# KiCad board EnAcess PCB.kicad_pcb
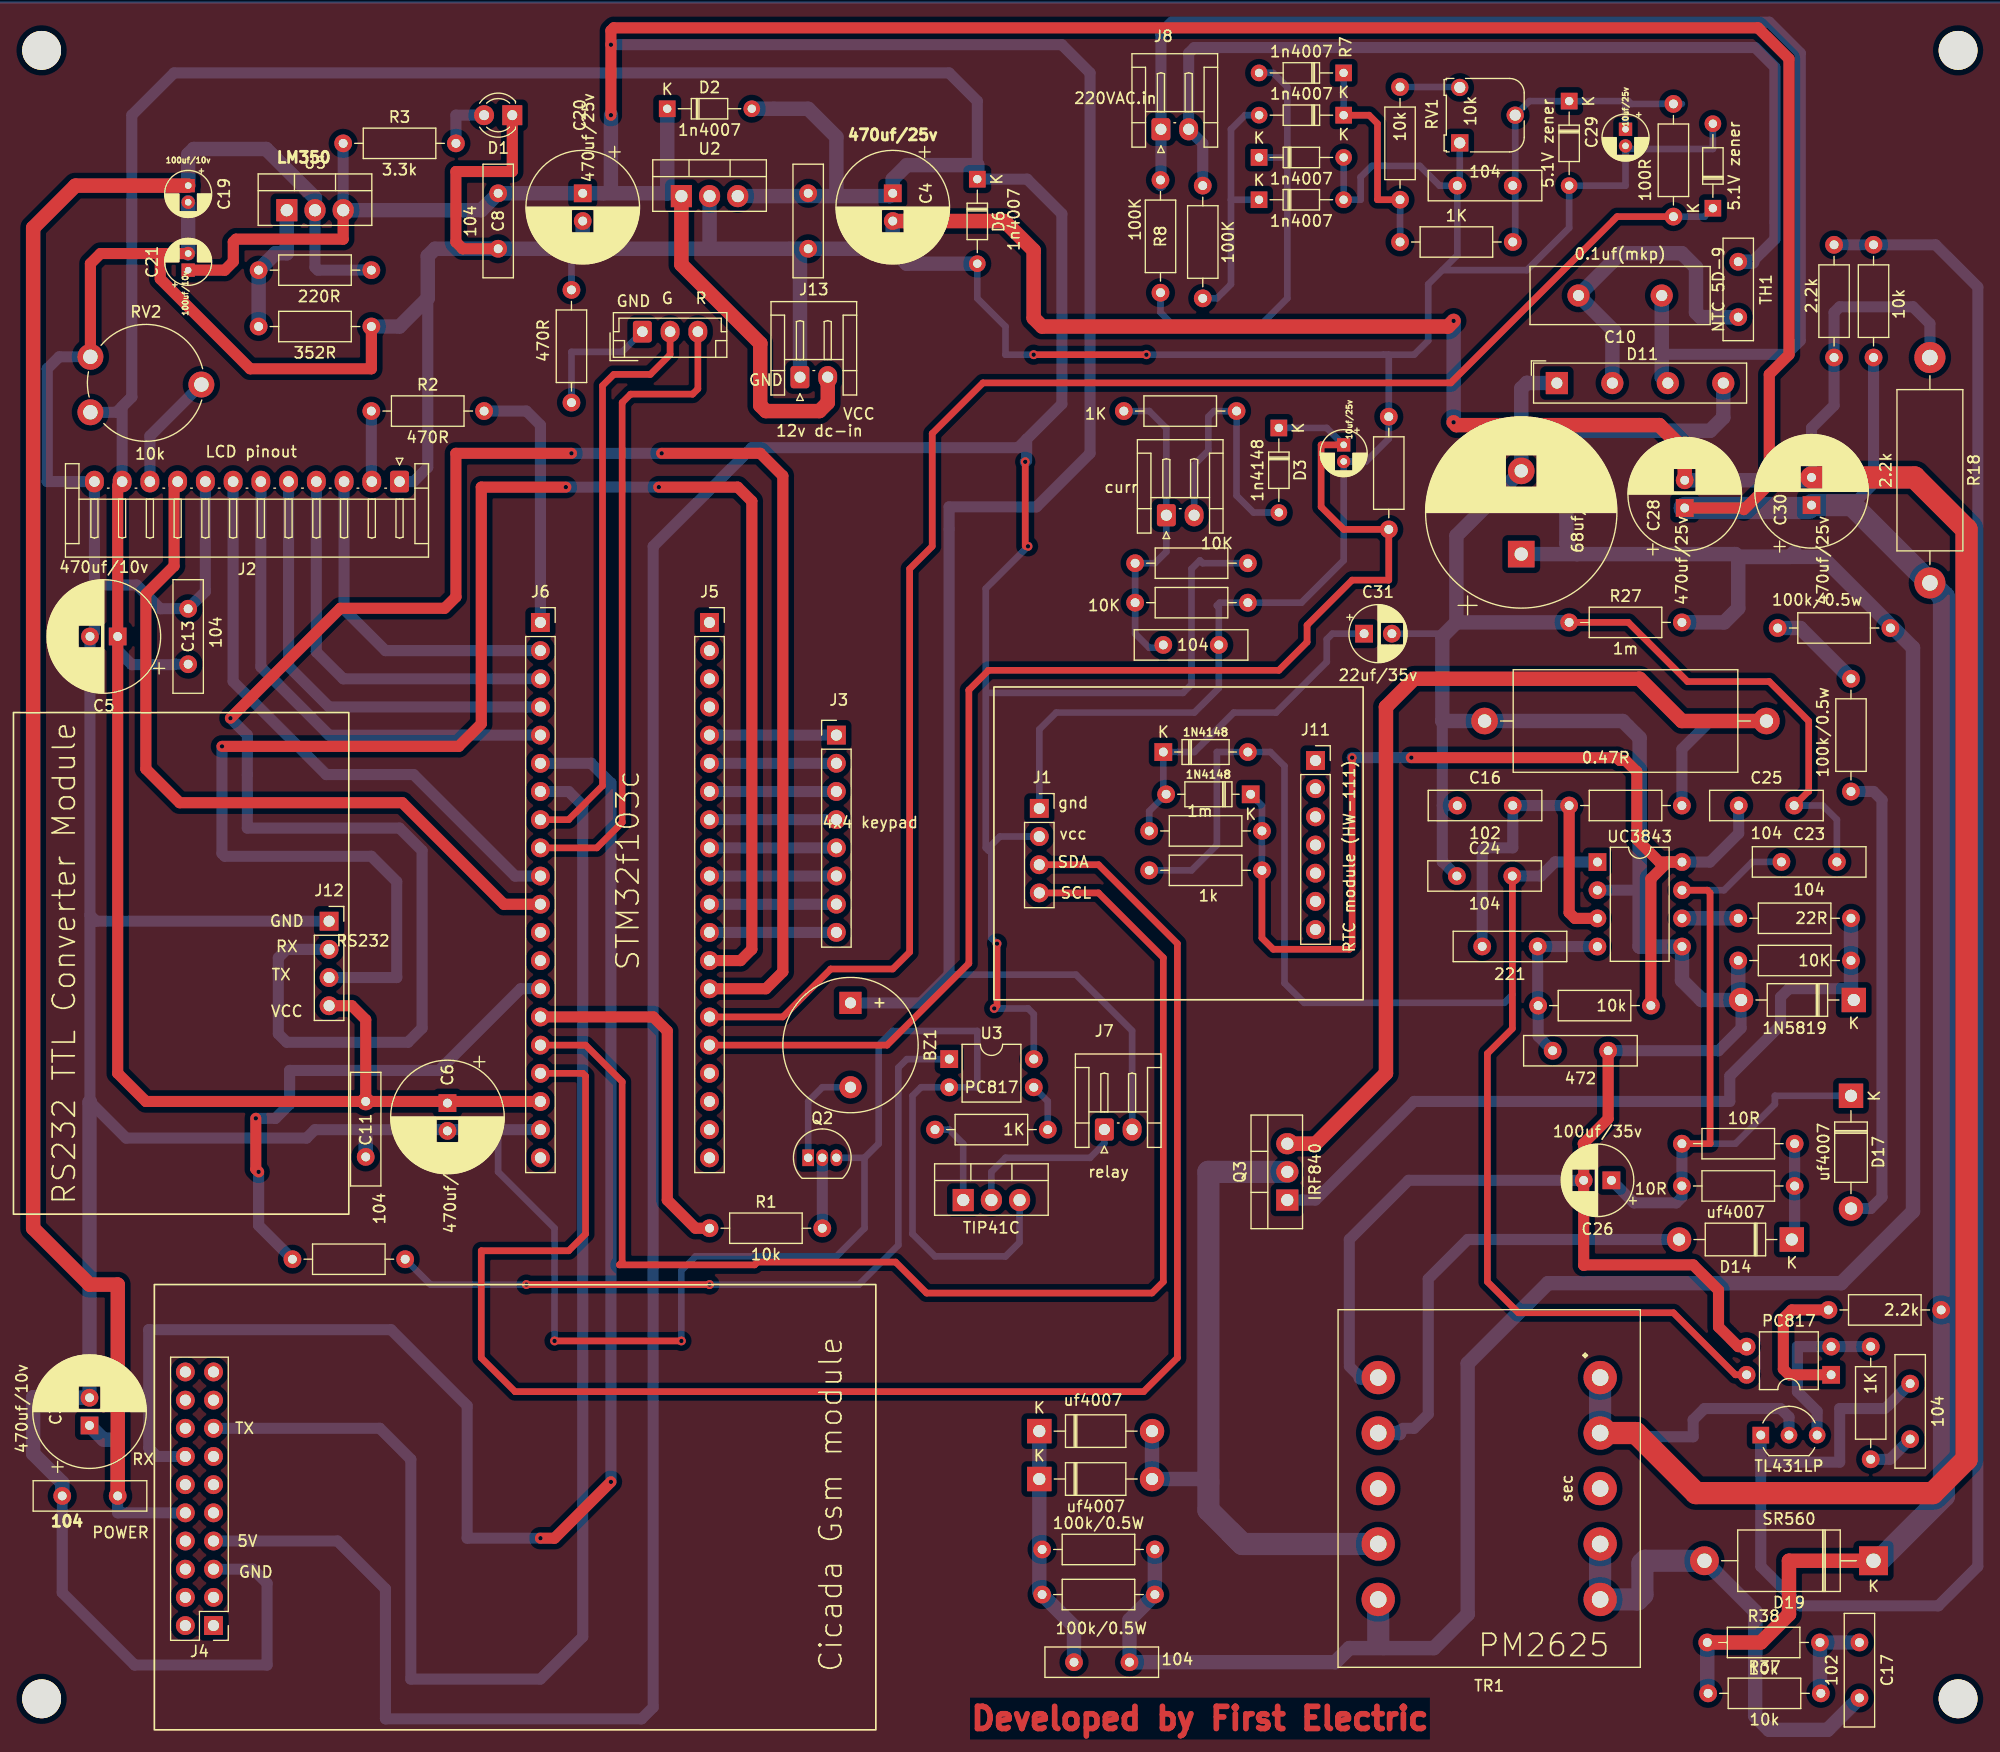
[diagram p0: board, top side]
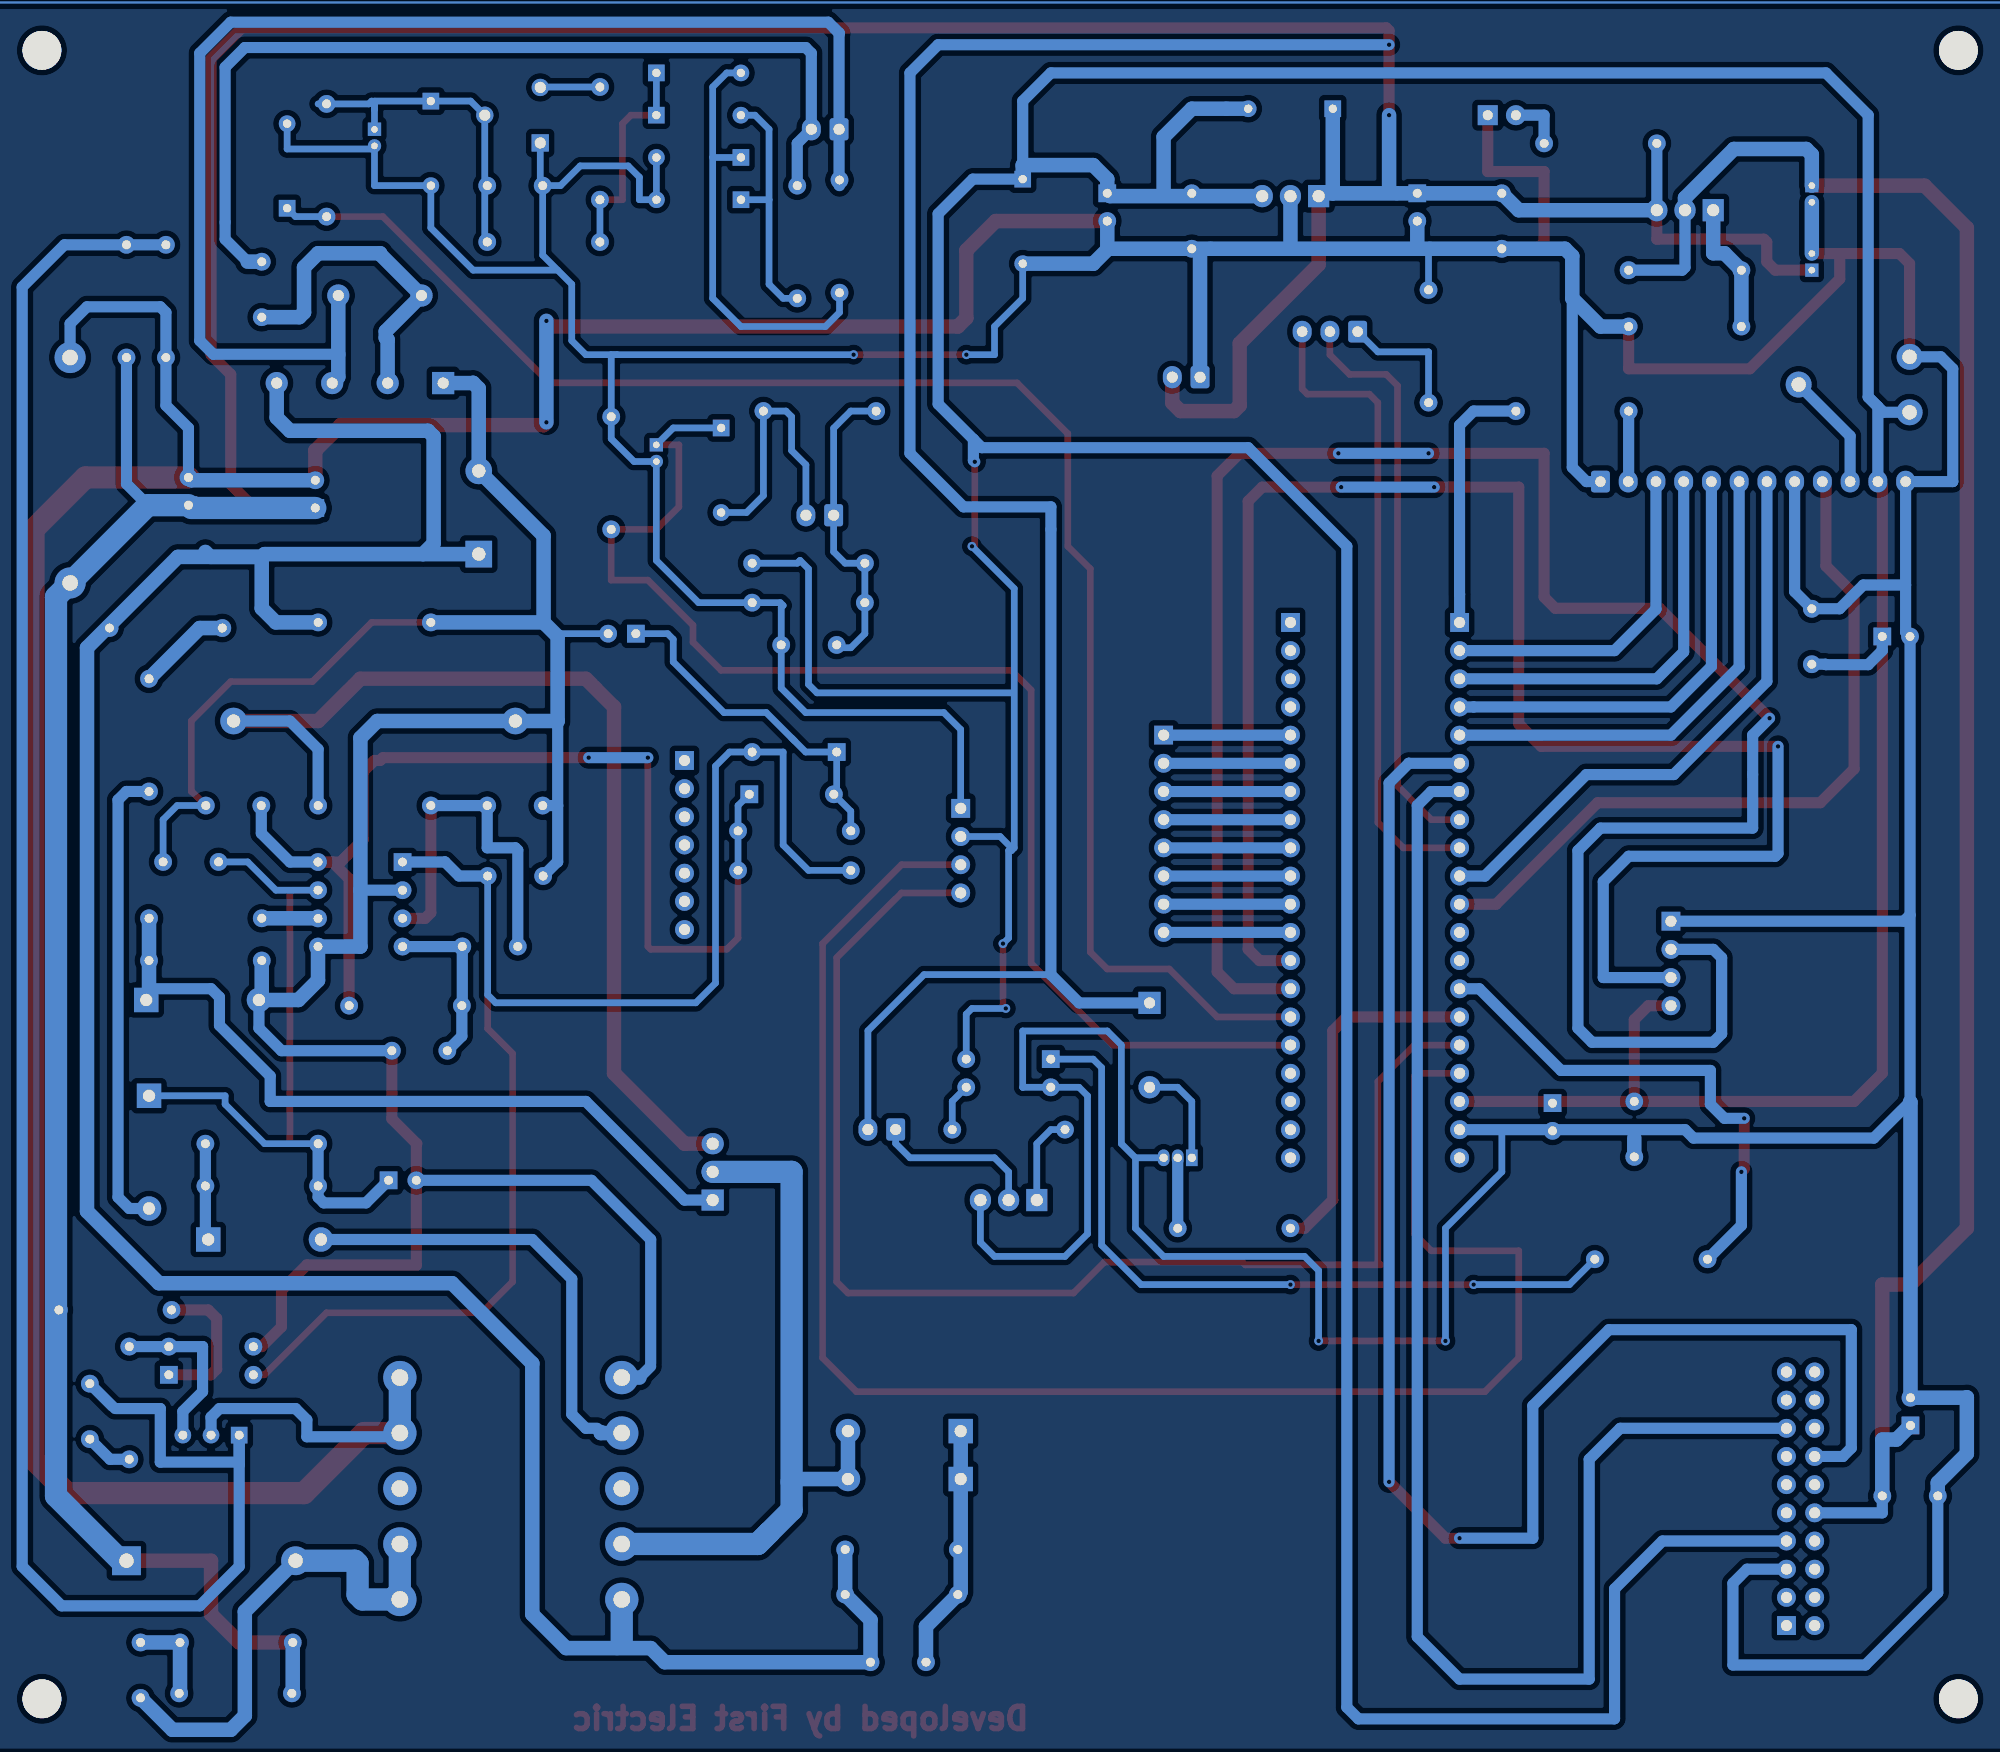
[diagram p1: board, bottom side, seen from below]

No outline. copper layers: Top, Bottom. Coordinates in mm from the lowest, leftmost part position.

## Placement (name value [footprint] x y rotation side)
BZ1  Buzzer  [Buzzer_12x9.5RM7.6]  72.9 62.73 270 top
C1  104  [C_Disc_D10.0mm_W2.5mm_P5.00mm]  101.09 95 0 top
C2  10uf/25v  [CP_Radial_D4.0mm_P1.50mm]  117.35 113.03 270 top
C3  470uf/10v  [CP_Radial_D10.0mm_P2.50mm]  4.32 24.64 90 top
C4  470uf/10v  [CP_Radial_D10.0mm_P2.50mm]  76.71 135.71 270 top
C5  470uf/10v  [CP_Radial_D10.0mm_P2.50mm]  6.86 95.76 180 top
C6  470uf/10v  [CP_Radial_D10.0mm_P2.50mm]  36.58 53.7 270 top
C7  104  [C_Disc_D10.0mm_W2.5mm_P5.00mm]  168.4 23.41 90 top
C8  104  [C_Disc_D10.0mm_W2.5mm_P5.00mm]  41.15 135.71 270 top
C9  68uf/400v  [CP_Radial_D17.0mm_P7.50mm]  133.35 103.18 90 top
C10  0.1uf(mkp)  [C_Disc_D16.0mm_W5.0mm_P7.50mm]  146.01 126.49 180 top
C11  104  [C_Disc_D10.0mm_W2.5mm_P5.00mm]  29.21 53.85 270 top
C12  104  [C_Disc_D10.0mm_W2.5mm_P5.00mm]  132.59 136.4 180 top
C13  104  [C_Disc_D10.0mm_W2.5mm_P5.00mm]  13.21 93.26 90 top
C14  104  [C_Disc_D10.0mm_W2.5mm_P5.00mm]  69.09 135.71 270 top
C15  104  [C_Disc_D10.0mm_W2.5mm_P5.00mm]  6.86 18.29 180 top
C16  102  [C_Disc_D10.0mm_W2.5mm_P5.00mm]  127.59 80.52 0 top
C17  102  [C_Disc_D10.0mm_W2.5mm_P5.00mm]  163.83 5.08 270 top
C18  221  [C_Disc_D10.0mm_W2.5mm_P5.00mm]  129.83 67.82 0 top
C19  -  [CP_Radial_D4.0mm_P1.50mm]  13.21 136.4 270 top
C20  470uf/25v  [CP_Radial_D10.0mm_P2.50mm]  48.77 135.71 270 top
C21  100uf/10v  [CP_Radial_D4.0mm_P1.50mm]  13.21 128.78 90 top
C22  472  [C_Disc_D10.0mm_W2.5mm_P5.00mm]  136.18 58.42 0 top
C23  104  [C_Disc_D10.0mm_W2.5mm_P5.00mm]  156.8 75.44 0 top
C24  104  [C_Disc_D10.0mm_W2.5mm_P5.00mm]  127.55 74.17 0 top
C25  104  [C_Disc_D10.0mm_W2.5mm_P5.00mm]  152.95 80.52 0 top
C26  100uf/35v  [CP_Radial_D6.3mm_P2.50mm]  141.48 46.74 180 top
C27  104  [C_Disc_D10.0mm_W2.5mm_P5.00mm]  98.04 3.3 180 top
C28  470uf/25v  [CP_Radial_D10.0mm_P2.50mm]  148.08 107.34 90 top
C29  10uf/25v  [CP_Radial_D4.0mm_P1.50mm]  142.75 141.48 270 top
C30  470uf/25v  [CP_Radial_D10.0mm_P2.50mm]  159.51 107.59 90 top
C31  22uf/35v  [CP_Radial_D5.0mm_P2.50mm]  119.19 96.01 0 top
D1  -  [LED_D3.0mm_FlatTop]  42.42 142.75 180 top
D2  1n4007  [D_DO-34_SOD68_P7.62mm_Horizontal]  56.38 143.33 0 top
D3  1n4148  [D_DO-34_SOD68_P7.62mm_Horizontal]  111.51 114.55 270 top
D4  5.1V zener  [D_DO-34_SOD68_P7.62mm_Horizontal]  150.62 134.36 90 top
D5  1n4007  [D_DO-34_SOD68_P7.62mm_Horizontal]  109.72 135.13 0 top
D6  1n4007  [D_DO-34_SOD68_P7.62mm_Horizontal]  84.33 136.98 270 top
D7  1n4007  [D_DO-34_SOD68_P7.62mm_Horizontal]  117.35 142.75 180 top
D8  5.1V zener  [D_DO-34_SOD68_P7.62mm_Horizontal]  137.67 144.02 270 top
D9  1n4007  [D_DO-34_SOD68_P7.62mm_Horizontal]  109.72 138.94 0 top
D10  1n4007  [D_DO-34_SOD68_P7.62mm_Horizontal]  117.34 146.56 180 top
D11  -  [Diode_Bridge_19.0x3.5x10.0mm_P5.0mm]  136.56 118.6 0 top
D12  1N4148  [D_DO-35_SOD27_P7.62mm_Horizontal]  108.97 81.53 180 top
D13  1N5819  [D_DO-41_SOD81_P10.16mm_Horizontal]  163.32 62.99 180 top
D14  uf4007  [D_DO-41_SOD81_P10.16mm_Horizontal]  157.73 41.4 180 top
D15  uf4007  [D_DO-41_SOD81_P10.16mm_Horizontal]  89.92 19.81 0 top
D16  uf4007  [D_DO-41_SOD81_P10.16mm_Horizontal]  89.92 24.13 0 top
D17  uf4007  [D_DO-41_SOD81_P10.16mm_Horizontal]  163.07 54.36 270 top
D18  1N4148  [D_DO-35_SOD27_P7.62mm_Horizontal]  101.09 85.34 0 top
D19  SR560  [D_DO-201AE_P15.24mm_Horizontal]  165.1 12.45 180 top
J1  RTC  [PinSocket_1x04_P2.54mm_Vertical]  89.92 80.26 0 top
J2  LCD pinout  [JST_EH_S12B-EH_1x12_P2.50mm_Horizontal]  32.26 109.72 180 top
J3  4x4 keypad  [PinHeader_1x08_P2.54mm_Vertical]  71.63 86.87 0 top
J4  Cicada GSM module  [PinHeader_2x10_P2.54mm_Vertical]  15.49 6.6 180 top
J5  -  [PinSocket_1x20_P2.54mm_Vertical]  60.19 97.02 0 top
J6  -  [PinSocket_1x20_P2.54mm_Vertical]  44.95 97.02 0 top
J7  relay  [JST_EH_S2B-EH_1x02_P2.50mm_Horizontal]  95.78 51.32 0 top
J8  220VAC.in  [JST_EH_S2B-EH_1x02_P2.50mm_Horizontal]  100.88 141.48 0 top
J9  LED_conn  [JST_EH_B3B-EH-A_1x03_P2.50mm_Vertical]  54.14 123.24 0 top
J10  curr  [JST_EH_S2B-EH_1x02_P2.50mm_Horizontal]  101.37 106.69 0 top
J11  -  [PinSocket_1x07_P2.54mm_Vertical]  114.81 84.58 0 top
J12  RS232  [PinSocket_1x04_P2.54mm_Vertical]  25.91 70.09 0 top
J13  12v dc-in  [JST_EH_S2B-EH_1x02_P2.50mm_Horizontal]  68.35 119.13 0 top
Q1  TIP41C  [TO-220-3_Vertical]  83.06 44.96 0 top
Q2  BC547  [TO-92_Inline]  69.09 48.77 0 top
Q3  IRF840  [TO-220-3_Vertical]  112.27 44.96 90 top
R1  10k  [R_Axial_DIN0207_L6.3mm_D2.5mm_P10.16mm_Horizontal]  60.2 42.42 0 top
R2  470R  [R_Axial_DIN0207_L6.3mm_D2.5mm_P10.16mm_Horizontal]  29.72 116.08 0 top
R3  3.3k  [R_Axial_DIN0207_L6.3mm_D2.5mm_P10.16mm_Horizontal]  27.18 140.21 0 top
R4  470R  [R_Axial_DIN0207_L6.3mm_D2.5mm_P10.16mm_Horizontal]  22.61 39.62 0 top
R5  10k  [R_Axial_DIN0207_L6.3mm_D2.5mm_P10.16mm_Horizontal]  122.43 145.29 270 top
R6  1K  [R_Axial_DIN0207_L6.3mm_D2.5mm_P10.16mm_Horizontal]  97.54 116.08 0 top
R7  100K  [R_Axial_DIN0207_L6.3mm_D2.5mm_P10.16mm_Horizontal]  104.65 136.4 270 top
R8  100K  [R_Axial_DIN0207_L6.3mm_D2.5mm_P10.16mm_Horizontal]  100.84 136.91 270 top
R9  100R  [R_Axial_DIN0207_L6.3mm_D2.5mm_P10.16mm_Horizontal]  147.07 143.76 270 top
R10  1K  [R_Axial_DIN0207_L6.3mm_D2.5mm_P10.16mm_Horizontal]  132.59 131.32 180 top
R11  1K  [R_Axial_DIN0207_L6.3mm_D2.5mm_P10.16mm_Horizontal]  90.68 51.31 180 top
R12  10K  [R_Axial_DIN0207_L6.3mm_D2.5mm_P10.16mm_Horizontal]  98.55 102.36 0 top
R13  220R  [R_Axial_DIN0207_L6.3mm_D2.5mm_P10.16mm_Horizontal]  19.56 128.78 0 top
R14  352R  [R_Axial_DIN0207_L6.3mm_D2.5mm_P10.16mm_Horizontal]  19.56 123.7 0 top
R15  10K  [R_Axial_DIN0207_L6.3mm_D2.5mm_P10.16mm_Horizontal]  98.55 98.81 0 top
R16  100K  [R_Axial_DIN0207_L6.3mm_D2.5mm_P10.16mm_Horizontal]  121.41 115.57 270 top
R17  470R  [R_Axial_DIN0207_L6.3mm_D2.5mm_P10.16mm_Horizontal]  47.75 116.84 90 top
R18  2.2k  [R_Axial_DIN0614_L14.3mm_D5.7mm_P20.32mm_Horizontal]  170.18 120.9 270 top
R19  2.2k  [R_Axial_DIN0207_L6.3mm_D2.5mm_P10.16mm_Horizontal]  161.54 131.06 270 top
R20  100k/0.5W  [R_Axial_DIN0207_L6.3mm_D2.5mm_P10.16mm_Horizontal]  100.33 9.4 180 top
R21  100k/0.5W  [R_Axial_DIN0207_L6.3mm_D2.5mm_P10.16mm_Horizontal]  100.33 13.46 180 top
R22  100k/0.5w  [R_Axial_DIN0207_L6.3mm_D2.5mm_P10.16mm_Horizontal]  156.46 96.52 0 top
R23  100k/0.5w  [R_Axial_DIN0207_L6.3mm_D2.5mm_P10.16mm_Horizontal]  163.07 81.79 90 top
R24  10k  [R_Axial_DIN0207_L6.3mm_D2.5mm_P10.16mm_Horizontal]  165.1 131.06 270 top
R25  10R  [R_Axial_DIN0207_L6.3mm_D2.5mm_P10.16mm_Horizontal]  147.83 50.04 0 top
R26  10R  [R_Axial_DIN0207_L6.3mm_D2.5mm_P10.16mm_Horizontal]  157.99 46.23 180 top
R27  1m  [R_Axial_DIN0207_L6.3mm_D2.5mm_P10.16mm_Horizontal]  137.67 97.03 0 top
R28  10K  [R_Axial_DIN0207_L6.3mm_D2.5mm_P10.16mm_Horizontal]  152.91 66.55 0 top
R29  22R  [R_Axial_DIN0207_L6.3mm_D2.5mm_P10.16mm_Horizontal]  152.91 70.36 0 top
R30  0.47R  [R_Axial_DIN0922_L20.0mm_D9.0mm_P25.40mm_Horizontal]  130.05 88.14 0 top
R31  1K  [R_Axial_DIN0207_L6.3mm_D2.5mm_P10.16mm_Horizontal]  137.67 80.52 0 top
R32  10k  [R_Axial_DIN0207_L6.3mm_D2.5mm_P10.16mm_Horizontal]  134.87 62.48 0 top
R33  1K  [R_Axial_DIN0207_L6.3mm_D2.5mm_P10.16mm_Horizontal]  164.85 21.59 90 top
R34  1m  [R_Axial_DIN0207_L6.3mm_D2.5mm_P10.16mm_Horizontal]  99.82 78.23 0 top
R35  1k  [R_Axial_DIN0207_L6.3mm_D2.5mm_P10.16mm_Horizontal]  99.82 74.68 0 top
R36  2.2k  [R_Axial_DIN0207_L6.3mm_D2.5mm_P10.16mm_Horizontal]  171.2 35.05 180 top
R37  10k  [R_Axial_DIN0207_L6.3mm_D2.5mm_P10.16mm_Horizontal]  150.19 0.49 0 top
R38  10k  [R_Axial_DIN0207_L6.3mm_D2.5mm_P10.16mm_Horizontal]  150.11 5.08 0 top
REF**  -  [MountingHole_3.5mm]  172.72 0 0 top
REF**#2  -  [MountingHole_3.5mm]  172.72 148.59 0 top
REF**#3  -  [MountingHole_3.5mm]  0 148.59 0 top
REF**#4  -  [MountingHole_3.5mm]  0 0 0 top
RV1  10k  [Potentiometer_Runtron_RM-065_Vertical]  127.81 140.25 90 top
RV2  10k  [Potentiometer_Piher_PT-10-V10_Vertical]  4.4 115.97 0 top
TH1  -  [C_Disc_D9.0mm_W2.5mm_P5.00mm]  152.91 129.54 270 top
TR1  TRANSF3  [Transformer_CHK_EI30-2VA_2xSec]  140.46 28.96 180 top
U2  L7805  [TO-220-3_Vertical]  57.66 135.45 0 top
U3  PC817  [DIP-4_W7.62mm]  81.8 57.66 0 top
U4  PC817  [DIP-4_W7.62mm]  161.28 29.2 180 top
U5  LM350  [TO-220-3_Vertical]  22.1 134.18 0 top
U6  TL431LP  [TO-92_Inline_Wide]  154.94 23.77 0 top
UC3843  UC3843_DIP8  [DIP-8_W7.62mm]  140.22 75.43 0 top
